# Altium PCB PCB.PcbDoc
Units mm, origin at the board's own origin, x right, y up, seen from the top; angles counter-clockwise.
Board outline 26.7 x 21.6 mm, 4 copper layers (L01_SIG, L01_GND, L03_GND, L04_SIG), stack 1.565 mm thick; 37 components, 24 nets, 150 pads, 90 vias.
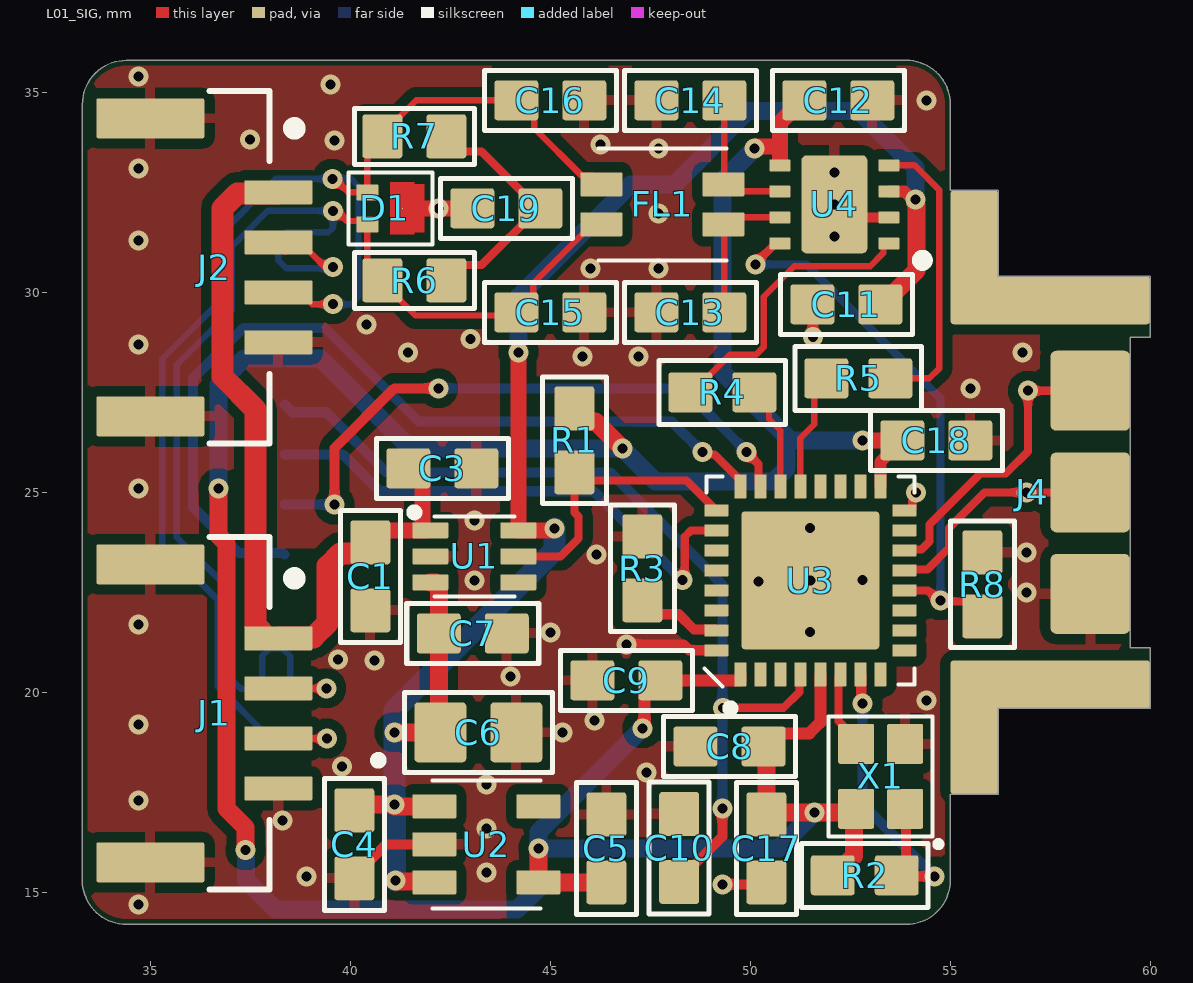
[diagram p0: L01_SIG view]
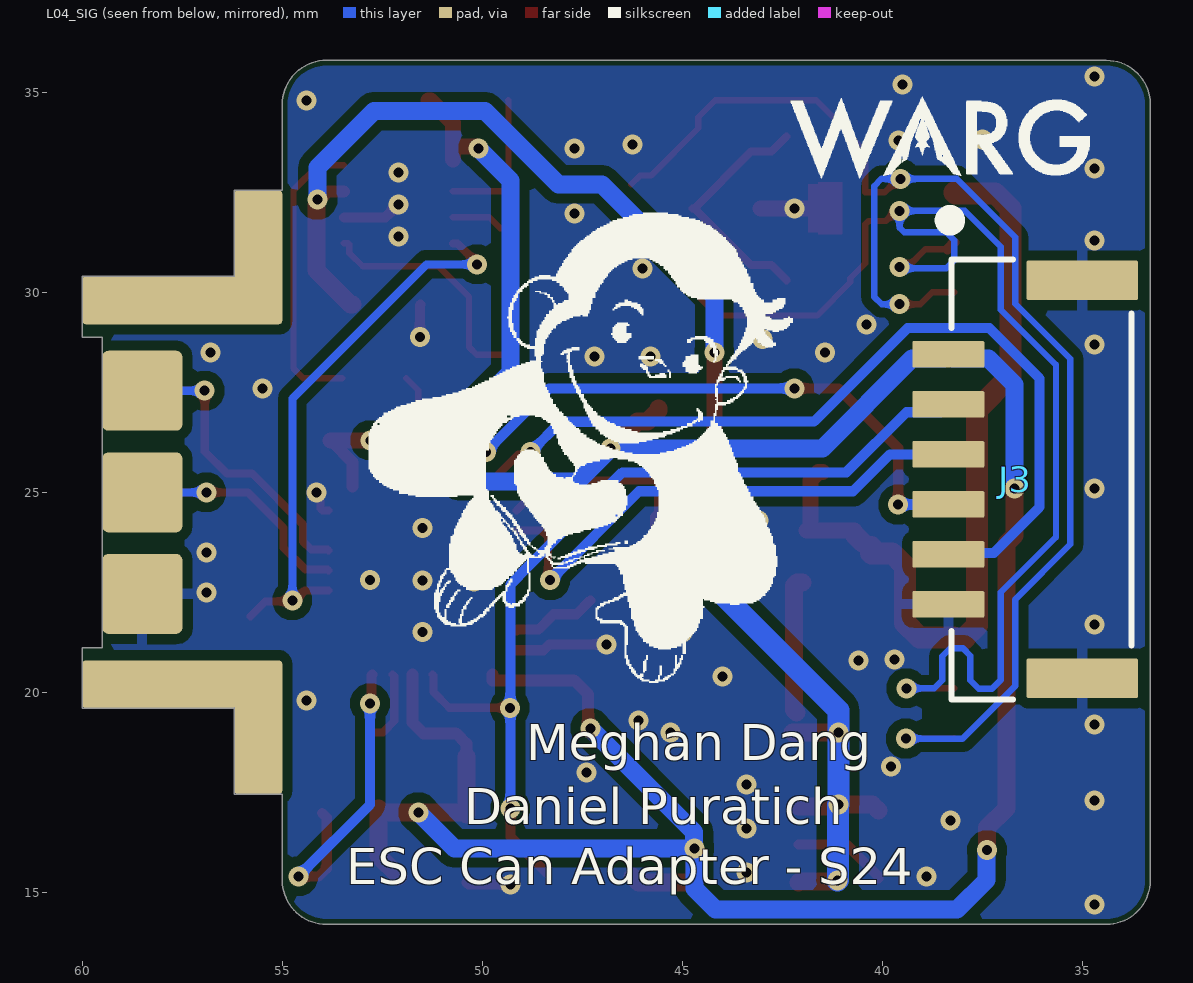
[diagram p1: L04_SIG view, seen from below]
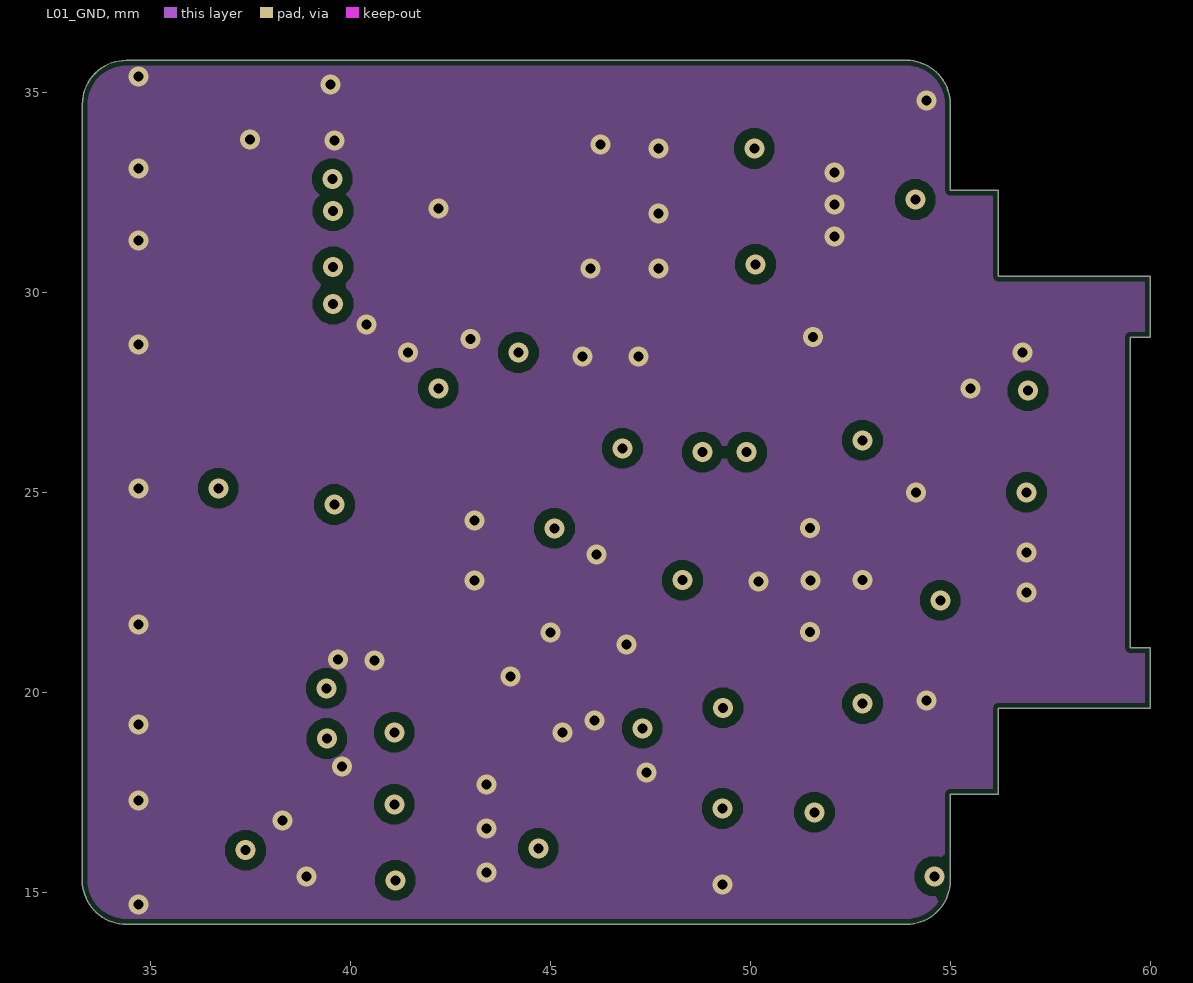
[diagram p2: L01_GND]
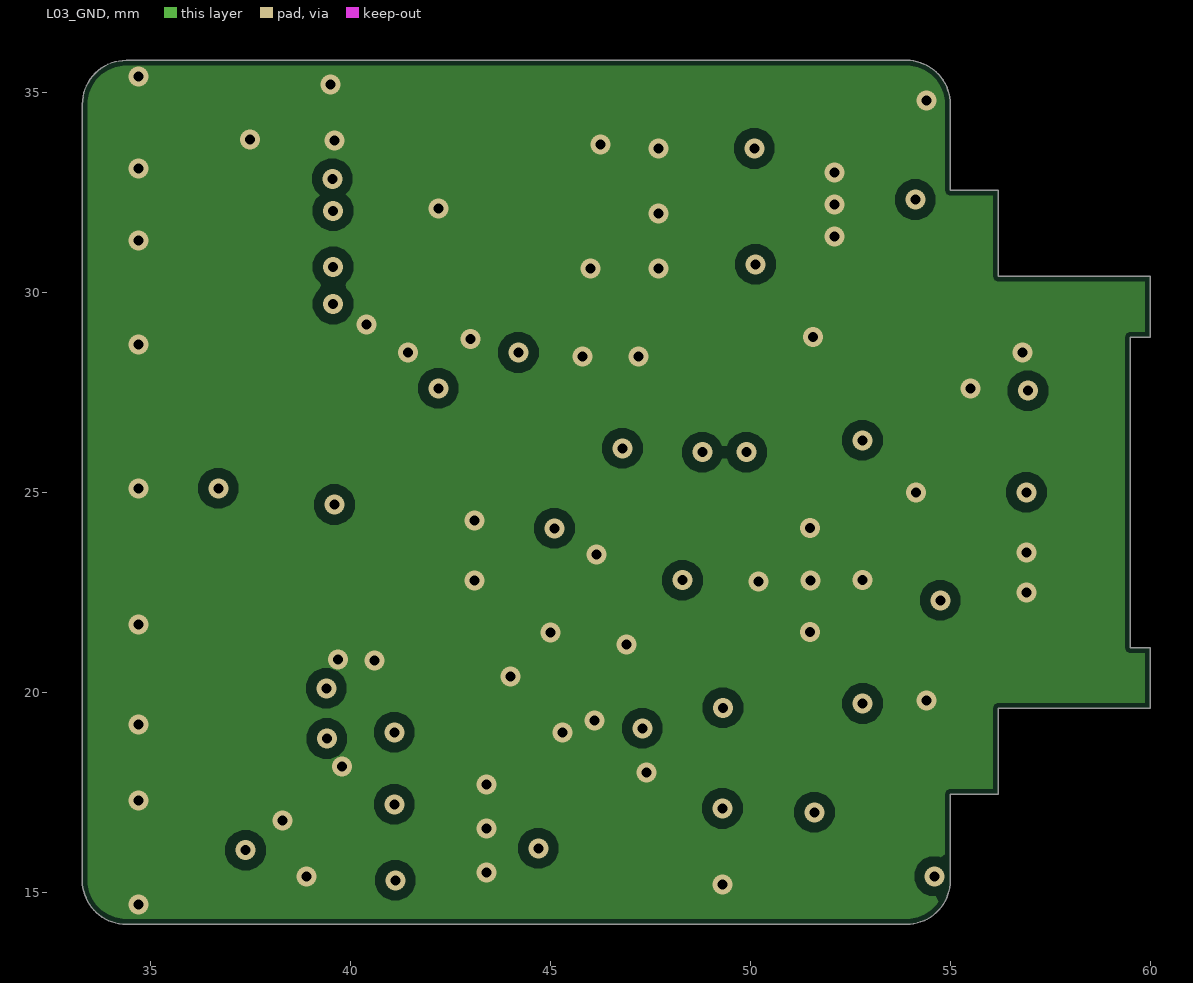
[diagram p3: L03_GND]

## Layer stack, top to bottom
Top Solder: solder mask 0.0102, Solder Resist, Dk 3.5
L01_SIG: signal copper 0.0356
Dielectric 2: prepreg 0.0993, PP-006, Dk 4.1
L01_GND: signal copper 0.0152
Dielectric 1: dielectric 1.2649, FR-4, Dk 4.8
L03_GND: signal copper 0.0152
Dielectric 3: prepreg 0.0993, PP-006, Dk 4.1
L04_SIG: signal copper 0.0356
Bottom Solder: solder mask 0.0102, Solder Resist, Dk 3.5

## Board outline
33.3,15.3 ccw(c34.4,15.3) 34.4,14.2 53.9,14.2 ccw(c53.9,15.3) 55,15.3 55,17.45 56.2,17.45 56.2,19.6 60,19.6 60,21.117 59.5,21.117 59.5,28.883 60,28.883 60,30.4 56.2,30.4 56.2,32.55 55,32.55 55,34.7 ccw(c53.9,34.7) 53.9,35.8 34.4,35.8 ccw(c34.4,34.7) 33.3,34.7

## Design rules (kind name [scope] priority, off if disabled: settings)
AcuteAngle [All] p1: minimum=6.00000000000000E+0001 checktracksonly=FALSE
BoardOutlineClearance [All] p1: gap=0.127 ignorepadtopadclearanceinfootprint=FALSE except(0: Arc-SplitContinuation Track-SplitContinuation SMDPad-SplitContinuation THPad-SplitContinuation Via-SplitContinuation Fill-SplitContinuation Poly-SplitContinuation Region-SplitContinuation Text-SplitContinuation)
Clearance [All] p1: gap=0.254 ignorepadtopadclearanceinfootprint=FALSE except(0.127: SMDPad-SMDPad; 0.2: Arc-Arc Arc-Track Arc-SMDPad Track-Track Track-SMDPad)
MinimumSolderMaskSliver [All] p1: minsoldermaskwidth=0.02
PolygonConnect [All] p1: connectstyle=Relief reliefconductorwidth=0.254 reliefentries=4 polygonreliefangle="90 Angle" airgapwidth=0.254
RoutingVias [All] p1: holewidth=0.711 width=1.27 viastyle="Through Hole" minholewidth=0.711 minwidth=1.27 maxholewidth=0.711 maxwidth=1.27
SilkToSolderMaskClearance [IsPad] p1: minsilkscreentomaskgap=0.01 clearancetoexposedcopper=TRUE
SolderMaskExpansion [All] p1: expansion=0.102 istentingtop=FALSE
SupplyNets "Schematic Supply Nets_3" [InNet('PWR_5V')] p1: voltage=0.000
SupplyNets "Schematic Supply Nets_2" [InNet('GND')] p2: voltage=0.000
SupplyNets "Schematic Supply Nets_1" [InNet('PWR_3V3')] p3: voltage=0.000
SupplyNets "Schematic Supply Nets" [InNet('VIN_5V')] p4: voltage=0.000
Width [All] p1: maxlimit=1 minlimit=0.127 preferedwidth=0.254
28 further rules are at their usual default settings.

## Components (designator, comment, footprint, x,y, rotation, side; value= is the part's Value field where it differs from the comment)
C1 "CL10B104KA8NNNC" .CAP_0603-Footprint-1 40.5,22.9 r90 top
C3 "GCM188R71E105KA64D" .CAP_0603-Footprint-1 42.3,25.6 r180 top
C4 "GCM188R71E105KA64D" .CAP_0603-Footprint-1 40.1,16.2 r90 top
C5 "GCM188R71E105KA64D" .CAP_0603-Footprint-1 46.4,16.1 r270 top
C6 "GMC21X7R106K25NT" .CAP_0805-Footprint-1 43.2,19 r180 top
C7 "GCM188R71E105KA64D" .CAP_0603-Footprint-1 43.061,21.474 r180 top
C8 "GCM188R71C104KA37D" .CAP_0603-Footprint-1 49.48,18.649 r0 top value=100nF
C9 "GRM188Z71A475KE15J" .CAP_0603-Footprint-1 46.9,20.3 r0 top value=4.7uF
C10 "CL10B104KA8NNNC" .CAP_0603-Footprint-1 48.222,16.111 r270 top
C11 "CL10B104KA8NNNC" .CAP_0603-Footprint-1 52.4,29.7 r0 top
C12 "CL10B104KA8NNNC" .CAP_0603-Footprint-1 52.2,34.8 r180 top
C13 "CC0603JRNPO9BN220" .CAP_0603-Footprint-1 48.5,29.5 r0 top value=22pF
C14 "CC0603JRNPO9BN220" .CAP_0603-Footprint-1 48.5,34.8 r0 top value=22pF
C15 "CC0603JRNPO9BN220" .CAP_0603-Footprint-1 45,29.5 r180 top value=22pF
C16 "CC0603JRNPO9BN220" .CAP_0603-Footprint-1 45,34.8 r180 top value=22pF
C17 "CC0603KRX7R8BB103" .CAP_0603-Footprint-1 50.4,16.1 r90 top
C18 "GCM188R71C104KA37D" .CAP_0603-Footprint-1 54.65,26.3 r180 top value=100nF
C19 "GCM188R71H472KA37D" .CAP_0603-Footprint-1 43.9,32.1 r0 top value=4.7nF
D1 "PESD2CANFD24U-QCZ" PESD2CANFD24U-QCZ-Footprint-1 40.8,32.1 r90 top
FL1 "ACT1210D-510-2P-TL00" ACT1210D-510-2P-TL00-Footprint-1 47.8,32.2 r0 top
J1 "SM04B-GHS-TB(LF)(SN)" CONN_SM04B-GHS-TB_JST 36.324,19.475 r270 top
J2 "SM04B-GHS-TB(LF)(SN)" CONN_SM04B-GHS-TB_JST 36.324,30.625 r270 top
J3 "BM06B-GHS-TBT" BM06B-GHS-TBT-Footprint-1 36.024,25.325 r90 bottom locked
J4 "APD_120F3[X]_DATACONN" APD_120F3[X]_DATACONN-Footprint-1 58.5,25 r0 top
R1 "AC0603FR-1310KL" .RES_0603-Footprint-1 45.6,26.3 r90 top
R2 "RC0603FR-0710KL" .RES_0603-Footprint-1 52.86,15.425 r180 top value=10k
R3 "RC0603FR-0710KL" .RES_0603-Footprint-1 47.3,23.1 r270 top value=10k
R4 "RC0603FR-0710RL" .RES_0603-Footprint-1 49.3,27.5 r0 top value=10
R5 "RC0603FR-0710RL" .RES_0603-Footprint-1 52.7,27.85 r180 top value=10
R6 "RC0603FR-1360R4L" RES0603 41.6,30.3 r180 top value=60.4R
R7 "RC0603FR-1360R4L" RES0603 41.6,33.9 r180 top value=60.4R
R8 "RC0603FR-0710KL" .RES_0603-Footprint-1 55.8,22.7 r270 top value=10k
U1 "LM66100DCKR" LM66100DCKR-Footprint-1 43.1,23.4 r0 top
U2 "TLV75533PDBVR" TLV75533PDBVR-Footprint-1 43.4,16.2 r0 top
U3 "STM32L431KCU6" STM32L431KCU6-Footprint-1 51.5,22.8 r90 top
U4 "TJA1051TK/3,118" TJA1051TK_3,118-Footprint-1 52.1,32.2 r180 top locked
X1 "ASDDV-8.000MHZ-LR-T" ASDDV-8.000MHZ-LR-T-Footprint-1 53.259,17.902 r90 top

## Footprints (in the part's own frame and the unit in brackets; to place one, negate y for a bottom-side part, rotate by r counter-clockwise, add the part's x,y. Pads: shape width x height; smd on the part's side, far side on the other; paste and mask are expansions set on the pad)
.CAP_0603-Footprint-1 [mm]
  rrect15% 1.1x1 smd: 1(-0.85,0) 2(0.85,0)
  silkscreen extent -1.65,-0.75 1.65,0.75, body extent -0.87,-0.45 0.87,0.5, height 0.87
.CAP_0805-Footprint-1 [mm]
  rrect15% 1.3x1.5 smd: 1(-0.95,0) 2(0.95,0)
  silkscreen extent -1.85,-1 1.85,1, body extent -1.1,-0.7 1.1,0.75, height 1.39
.RES_0603-Footprint-1 [mm]
  rrect15% 1.1x1 smd: 1(-0.8,0) 2(0.8,0)
  silkscreen extent -1.58,-0.8 1.58,0.8, body extent -0.8,-0.4 0.8,0.4, height 0.46
ACT1210D-510-2P-TL00-Footprint-1 [mm]
  rrect10% 1.05x0.6 smd: 1(-1.525,0.5) 2(-1.525,-0.5) 3(1.525,-0.5) 4(1.525,0.5)
  silkscreen extent -1.6,-1.4 1.6,1.4, body extent -1.95,-1.25 1.95,1.25, height 2.5
APD_120F3[X]_DATACONN-Footprint-1 [mm]
  rrect15% 1.2x2.5 smd: 1(-2.9,6.3) 5(-2.9,-6.3)
  rrect15% 1.2x2.5 smd far side: 1(-2.9,6.3) 5(-2.9,-6.3)
  rrect15% 5x1.2 smd: 1(-1,4.8) 5(-1,-4.8)
  rrect15% 5x1.2 smd far side: 1(-1,4.8) 5(-1,-4.8)
  rrect15% 2x2 smd: 2(0,2.54) 3(0,0) 4(0,-2.54)
  rrect15% 2x2 smd far side: 2(0,2.54) 3(0,0) 4(0,-2.54)
  body extent -2.2,-14.5 56.8,14.5, height 10.3
ASDDV-8.000MHZ-LR-T-Footprint-1 [mm]
  rrect10% 1x0.9 smd: 1(-0.813,-0.613) 2(0.813,-0.613) 3(0.813,0.613) 4(-0.813,0.613)
  silkscreen extent -1.75,-1.49 1.5,1.3, body extent -1.25,-1 1.25,1, height 0.91
BM06B-GHS-TBT-Footprint-1 [mil]
  rrect10% 26x71 smd paste+0: 1(123.03,91.58) 2(73.82,91.58) 3(24.61,91.58) 4(-24.61,91.58) 5(-73.82,91.58) 6(-123.03,91.58)
  rrect10% 39x110 smd paste-55: 7(-195.87,-40.31) 8(195.87,-40.31)
  silkscreen extent -216,-89 260,95, body extent -212,-84 212,111, height 166
CONN_SM04B-GHS-TB_JST [mm]
  rrect10% 0.6x1.7 smd: 1(-1.875,1.876) 2(-0.625,1.876) 3(0.625,1.876) 4(1.875,1.876)
  rrect10% 1x2.7 smd: 5(-3.725,-1.324) 6(3.725,-1.324)
  silkscreen extent -4.4,0.15 4.4,2.36, body extent -4.13,-2.55 4.13,2.3, height 4.25
LM66100DCKR-Footprint-1 [mm]
  rrect15% 0.9x0.4 smd: 1(-1.1,0.65) 2(-1.1,0) 3(-1.1,-0.65) 4(1.1,-0.65) 5(1.1,0) 6(1.1,0.65)
  silkscreen extent -1.6,-1 1,1.2, body extent -1.05,-1 1.05,1, height 1.1
PESD2CANFD24U-QCZ-Footprint-1 [mm]
  rrect10% 0.4x0.55 smd: 1(0.4,0.375) 2(-0.4,0.375)
  round 0.025 smd: 3(0,-0.5)
  L01_SIG region: -0.6,-1.05 -0.6,-0.8 -0.65,-0.8 -0.65,-0.2 0.65,-0.2 0.65,-0.8 0.6,-0.8 0.6,-1.05 0.2,-1.05 0.2,-0.8 -0.2,-0.8 -0.2,-1.05
  silkscreen extent -0.9,-1.25 0.9,0.85, body extent -0.7,-0.82 0.7,0.4, height 0.49
RES0603 [mm] "SMT Resistor 0603"
  rrect15% 1x1.1 smd: 1(-0.8,0) 2(0.8,0)
  silkscreen extent -1.5,-0.7 1.5,0.7, body extent -0.8,-0.4 0.8,0.4, height 0.46
STM32L431KCU6-Footprint-1 [mm]
  rrect10% 0.6x0.3 smd: 1(-2.35,1.75) 2(-2.35,1.25) 3(-2.35,0.75) 4(-2.35,0.25) 5(-2.35,-0.25) 6(-2.35,-0.75) 7(-2.35,-1.25) 8(-2.35,-1.75) 17(2.35,-1.75) 18(2.35,-1.25) 19(2.35,-0.75) 20(2.35,-0.25) 21(2.35,0.25) 22(2.35,0.75) 23(2.35,1.25) 24(2.35,1.75)
  rrect10% 0.3x0.6 smd: 9(-1.75,-2.35) 10(-1.25,-2.35) 11(-0.75,-2.35) 12(-0.25,-2.35) 13(0.25,-2.35) 14(0.75,-2.35) 15(1.25,-2.35) 16(1.75,-2.35) 25(1.75,2.35) 26(1.25,2.35) 27(0.75,2.35) 28(0.25,2.35) 29(-0.25,2.35) 30(-0.75,2.35) 31(-1.25,2.35) 32(-1.75,2.35)
  rrect5% 3.45x3.45 smd paste-2539.97: 33(0,0)
  silkscreen extent -3.3,-2.6 2.6,2.65, body extent -2.5,-2.5 2.5,2.5, height 0.61
TJA1051TK_3,118-Footprint-1 [mm]
  rrect15% 0.525x0.3 smd: 1(-1.362,0.975) 2(-1.362,0.325) 3(-1.362,-0.325) 4(-1.362,-0.975) 5(1.362,-0.975) 6(1.362,-0.325) 7(1.362,0.325) 8(1.362,0.975)
  rrect15% 1.65x2.45 smd: 9(0,0)
  silkscreen extent -2.33,1.27 -2.07,1.53, body extent -1.5,-1.5 1.5,1.5, height 1.01
TLV75533PDBVR-Footprint-1 [mm]
  rrect10% 1.1x0.6 smd: 1(-1.3,0.95) 2(-1.3,0) 3(-1.3,-0.95) 4(1.3,-0.95) 5(1.3,0.95)
  silkscreen extent -2.77,-1.6 1.35,2.17, body extent -1.4,-1.45 1.4,1.45, height 1.45

## Part data
C1 C10 C11 C12: library part CMP-00057-2, "CAP CER 0.1UF 25V X7R 0603", Capacitance=100nF, Case/Package=0603, Dielectric=X7R, Tolerance=10%, Voltage Rating=25V
C3 C4 C5 C7: library part CMP-00240-2, "CAP CER 1UF 25V X7R 0603", Capacitance=1uF, Temperature Coefficient=X7R, Tolerance=10%, Voltage Rating=25V, Mounting Technology="Surface Mount"
C6: library part CMP-00241-4, "CAP0805 X7R 10UF 10% 25V", Capacitance=10uF, Temperature Coefficient=X7R, Tolerance=10%, Voltage Rating=25V
C8 C18: library part CMP-001-00003-8, "CAP CER 100nF 16V X7R 0603", Capacitance=100nF, Package=0603, Temperature Coefficient=X7R, Voltage=16V
C9: library part CMP-001-00045-1, "CAP CER 4.7UF 10V X7R 0603", Temperature Coefficient=X7R, Voltage=10V
C13 C14 C15 C16: library part CMP-00246-2, "CAP CER 22PF 50V C0G/NPO 0603", Case/Package=0603, Temperature Coefficient=C0G,NP0, Tolerance=5%, Voltage Rating=50V
C17: library part CMP-00217-1, "CAP CER 10nF 25V X7R 0603", Capacitance=10nF, Package=0603, Temperature Coefficient=X7R, Voltage Rating=25V
C19: library part CMP-001-00080-1, "CAP CER 4700PF 50V X7R 0603", Capacitor Type=Ceramic, Case/Package=0603, Max Operating Temperature=125°C, Min Operating Temperature=-55°C, Package Shape=Rectangular, Package Style=SMTMeter, Rated DC Voltage (URdc)=50V, Temperature Characteristics Code=X7R, Tolerance  (fill in as +-)=10%, Dielectric Material=Ceramic, Height=0.9mm, JESD-609 Code=e3, Length=1.6mm, Mounting Technology="Surface Mount", Multilayer=Yes, Packaging="Tape and Reel", Pins=2, Reach SVHC Compliant=Yes, Reference Standard=AEC-Q200, RoHS Compliant=Yes, Terminal Finish=Nickel, Termination=Wraparound, Tolerance (fill in as +-)=10%, Width=0.8mm
D1: library part CMP-00239-5, "TVS DIODE 24VWM 43VC DFN1412D-3"
FL1: library part CMP-00243-2, "CMC 50UH 115MA 2LN 2.3KOHM SMD"
J1 J2: library part CMP-068-000000-3, "Conn Shrouded Header HDR 4 POS 1.25mm Solder RA SMD Reel", Mfr_Name=JST, Design Item ID=SM04B-GHS-TB(LF)(SN), RefDes=RefDes, Source=SM04B-GHS-TB_LF__SN_.SchLib, Type=Type
J3: library part CMP-002-00014-7, "Connector Header Surface Mount 6 position 0.049\" (1.25mm)", Mfr Name=JST, Design Item ID=BM06B-GHS-TBT
J4: library part CMP-00222-1, "Data connector to solder directly onto three pin connection on the APD ESC 120F3[X] custom footprint with the ESC 3D body"
R1: library part CMP-009-00054-2, "RES 10K OHM 1% 1/10W 0603", Rated Power Dissipation (P)=100mW, Rated Temperature=70°C, Resistance=10kR, Tolerance=1%, Working Voltage=75V, Mount="Surface Mount"
R2 R3 R8: library part CMP-009-00006-4, "RES 10K OHM 1% 1/10W 0603", Package=0603, Power=1/10W, Resistance=10k, Tolerance=1%
R4 R5: library part CMP-009-00084-1, "RES 10 OHM 1% 1/10W 0603", Package=0603, Power=1/10W, Resistance=10, Tolerance=1%
R6 R7: library part CMP-00245-1, "RES 60.4 OHM 1% 1/10W 0603", Power=100mW, Tolerance=1%
U1: library part CMP-00218-1, "IC OR CTRLR IDEAL DIODE SC70-6"
U2: library part CMP-00225-3, "IC REG LINEAR 3.3V 500MA SOT23-5"
U3: library part CMP-00224-6, "IC MCU 32BIT 256KB FLSH 32UFQFPN"
U4: library part CMP-00219-3, "IC TRANSCEIVER HALF 1/1 8HVSON"
X1: library part CMP-00242-3, "OSC XO 8.000MHZ CMOS SMD", Frequence Stability=25ppm, Frequency=8MHz

## Via types
v1: diameter 0.5, hole 0.25, L01_SIG to L04_SIG, tented both sides, 90 vias

## Nets (pads, with @x,y where several pads share a name; then routed paths per layer and width w, separated by ;. In a path a pad name is that pad's centre, name@x,y a point inside that pad or via, vN(x,y) a via of type N, cw(c..) or ccw(c..) an arc to the next point about the centre after c; other vN are vias at no path point)
BOOT0: R3.2 U3.31 | length 2.2
  L01_SIG w0.254: R3.2 47.648,21.952 48.213,21.952 48.592,21.573 49.127,21.573 U3.31
CAN1_RX: R5.2 U3.21 | length 3
  L01_SIG w0.157: U3.21 51.25,26.35 51.6,26.7 51.6,27.55 R5.2
CAN1_TX: R4.2 U3.22 | length 2.2
  L01_SIG w0.157: R4.2@50.395,27.2 50.468,27.127 50.468,26.832 50.75,26.55 U3.22
CAN_H: C15.2 D1.2 FL1.2 J1.2 J2.2 R6.2 | length 35.1
  L01_SIG w0.157: J1.2 v1(39.4,20.1) ; J2.2@38.373,31.077 38.923,31.077 39.334,30.666 39.514,30.666 v1@39.545,30.635 ; v1(39.568,32.038) 39.661,32.038 39.915,31.784 40.341,31.784 D1.2 40.425,30.725 40.8,30.35 R6.2 40.8,30.25 41.63,29.42 44.12,29.42 44.573,29.873 44.573,30.223 46.05,31.7 FL1.2
  L01_SIG w0.254: J2.2 J2.2@38.373,31.077
  L04_SIG w0.157: v1(39.4,20.1) 38.7,20.1 38.5,20.3 38.5,20.9 38.3,21.1 37.984,21.1 37.8,20.916 37.8,20.3 37.589,20.089 37.259,20.089 37.039,20.308 37.039,22.502 36.34,23.2 35.66,23.88 35.66,28.189 37.039,29.568 37.039,31.139 37.938,32.038 v1(39.568,32.038) 39.568,31.617 39.451,31.5 38.4,31.5 38.2,31.3 38.2,30.8 38.4,30.6 39.533,30.6 v1(39.568,30.635)
CAN_H_FILT: C13.2 FL1.3 U4.7 | length 3.7
  L01_SIG w0.157: FL1.3@49.325,31.6 FL1.3@49.348,31.6 ; FL1.3 49.348,31.678 FL1.3@49.348,31.6 ; C13.2 49.348,29.503 FL1.3@49.348,31.6 ; U4.7 49.825,31.875 49.55,31.6 FL1.3@49.348,31.6
CAN_L: C16.2 D1.1 FL1.1 J1.3 J2.3 R7.2 | length 35.5
  L01_SIG w0.157: J1.3 38.207,18.843 v1(39.412,18.843) ; J2.3 38.75,30 39.05,29.7 39.565,29.7 v1@39.57,29.705 ; v1(39.55,32.836) 39.607,32.836 39.944,32.5 D1.1 40.425,33.311 40.427,33.313 40.427,33.527 R7.2 40.8,33.95 41.65,34.8 44.179,34.8 44.6,34.379 44.6,34.1 45.779,32.921 46.054,32.921 FL1.1
  L04_SIG w0.157: v1(39.412,18.843) 37.995,18.843 36.679,20.159 36.679,22.321 35.3,23.7 35.3,28.338 36.679,29.717 36.679,31.379 38.136,32.836 40.022,32.836 40.202,32.657 40.202,29.884 40.018,29.7 39.575,29.7 v1@39.57,29.705
  other v1: 39.57,29.71
CAN_L_FILT: C14.2 FL1.4 U4.6 | length 3.4
  L01_SIG w0.157: FL1.4 FL1.4@49.348,32.722 ; FL1.4@49.348,32.822 49.348,34.797 C14.2 ; FL1.4@49.398,32.527 49.87,32.527 49.872,32.525 U4.6
DSHOT_SIGNAL: J4.3 U3.13 | length 7.3
  L01_SIG w0.203: U3.13 53.87,23.07 54.425,23.07 54.97,23.615 54.97,24.113 55.857,25 v1(56.9,25) J4.3@58.5,25
  L04_SIG w0.203: v1(56.9,25) J4.3@58.5,25
DSHOT_TELEMETRY: J4.2 U3.14 | length 9
  L01_SIG w0.203: U3.14 53.87,23.57 54.278,23.57 54.48,23.772 54.48,24.198 55.752,25.47 56.386,25.47 56.94,26.023 v1(56.94,27.54) J4.2@58.5,27.54
  L04_SIG w0.203: v1(56.94,27.54) J4.2@58.5,27.54
GND: C1.1 C3.1 C4.1 C5.1 C6.1 C7.1 C8.1 C9.1 C10.1 C11.1 C12.1 C13.1 C14.1 C15.1 C16.1 C17.1 C18.1 C19.1 D1.3 J1.4 J1.5 J1.6 J2.4 J2.5 J2.6 J3.6 J3.7 J3.8 J4.4 R3.1 R8.1 U1.2 U2.2 U3.16 U3.32 U3.33 U4.2 U4.9 X1.2 | length 10.5
  L01_SIG w0.203: U3.16 54,24.55 54.048,24.598 54.048,24.768 54.088,24.807 54.088,24.943 v1(54.144,25)
  L01_SIG w0.254: C4.1 40.1,15.4 40.9,16.2 U2.2 ; v1(46.9,21.2) 48.323,21.2 48.469,21.054 49.146,21.054 U3.32 ; v1(49.3,15.2) 50.35,15.2 C17.1 ; C11.1 51.563,29.687 v1(51.563,28.889) ; v1(52.1,32.2) 52.425,31.875 U4.2
  L01_SIG w0.4: D1.3 v1(42.2,32.1) C19.1
  other v1: 34.7,14.7 38.9,15.4 43.4,15.5 43.4,16.6 38.3,16.8 34.7,17.3 43.4,17.7 47.4,18 39.787,18.146 45.3,19 34.7,19.2 46.1,19.3 54.4,19.8 44,20.4 40.6,20.8 39.697,20.818 45,21.5 51.494,21.505 34.7,21.7 56.9,22.5 50.206,22.773 43.1,22.8 51.5,22.8 52.809,22.805 46.159,23.448 56.9,23.5 51.494,24.109 43.1,24.3 34.7,25.1 55.5,27.6 45.8,28.4 47.2,28.4 41.437,28.49 56.8,28.5 34.7,28.7 43,28.831 40.4,29.2 46,30.6 47.7,30.6 34.7,31.3 52.1,31.4 47.7,31.971 52.1,33 34.7,33.1 47.7,33.6 46.25,33.7 39.6,33.8 37.496,33.822 54.4,34.8 39.5,35.2 34.7,35.4
HSE_8MHZ: U3.6 X1.3 | length 1.8
  L01_SIG w0.203: U3.6 52.202,20.402 52.202,19.279 52.48,19 X1.3@52.7,19
LM66100_STATUS: R1.1 U1.5 U3.25 | length 7.2
  L01_SIG w0.203: U1.5 45.256,23.4 45.706,23.849 45.706,24.4 45.605,24.5 R1.1@45.605,25.3 ; R1.1 45.605,25.495 R1.1@45.605,25.3 ; U3.25 48.4,25.3 R1.1@45.605,25.3
NetC19_2: C19.2 R6.1 R7.1 | length 6.2
  L01_SIG w0.203: R6.1 42.4,30.308 42.773,30.681 43.281,30.681 C19.2@44.7,32.1 ; R7.1 42.4,33.892 42.773,33.519 43.281,33.519 C19.2@44.7,32.1 ; C19.2 C19.2@44.7,32.1
NRST: C10.2 J3.2 U3.4 | length 22.9
  L01_SIG w0.203: v1(49.314,19.614) 50.829,19.614 51.225,20.01 51.225,20.424 U3.4
  L01_SIG w0.254: C10.2@48.406,15.495 49.3,16.389 v1(49.3,17.1)
  L04_SIG w0.254: J3.2 38.547,27.003 39.397,27.003 40.9,25.5 46.5,25.5 49.1,22.9 49.1,22.89 49.3,22.69 v1(49.3,17.1)
OSC_EN: R2.1 U3.7 X1.1 | length 8.1
  L01_SIG w0.254: U3.7 52.773,20.427 52.773,19.756 v1(52.807,19.722) ; R2.1@53.891,15.591 53.891,16.866 X1.1@54.013,16.987 ; R2.1@53.919,15.632 53.919,15.564 54.083,15.4 v1(54.6,15.4)
  L04_SIG w0.254: v1(52.807,19.722) 52.807,17.193 v1(54.6,15.4)
PWR_3V3: C5.2 C8.2 C9.2 C12.2 C17.2 C18.2 J3.1 R1.2 R2.2 U2.4 U3.1 U3.5 U3.17 U4.5 X1.4 | length 80.8
  L01_SIG w0.3: v1@47.3,19.113 47.3,19.154 47.356,19.21 47.356,19.95 47.706,20.3 49.75,20.3 U3.1 ; C8.2@50.4,18.4 50.4,18.719 50.654,18.973 51.473,18.973 51.75,19.25 U3.5 ; U3.17 53.25,25.758 C18.2@53.742,26.25
  L01_SIG w0.4: v1(50.1,33.6) 50.147,33.647 50.679,33.647 50.738,33.706 ; C17.2 C17.2@50.45,17 ; 50.738,33.325 50.738,33.706 ; C12.2 51.3,34.8 50.738,34.238 50.738,33.706 ; v1(52.8,26.3) C18.2
  L01_SIG w0.45: v1(36.7,25.1) 36.7,23.922 36.9,23.722 36.9,17.1 37.381,16.619 v1(37.381,16.054) ; v1(44.7,16.1) U2.4 46.1,15.25 C5.2@46.25,15.4 ; R1.2 45.6,27.05 45.875,26.775 46.125,26.775 v1(46.8,26.1) ; C17.2 C8.2@50.4,18.4 ; C17.2@50.45,17 v1(51.6,17) 52.5,17 52.593,17.093 52.593,15.908 52.1,15.415 R2.2@52.1,15.4
  L04_SIG w0.45: v1(36.7,25.1) 36.7,27.7 37.345,28.345 38.245,28.345 J3.1 38.455,28.345 39.255,28.345 41.5,26.1 v1(46.8,26.1) 47.626,25.275 50.575,25.275 50.9,25.6 50.9,26.4 ; v1(37.381,16.054) 37.39,16.045 37.39,15.31 38.129,14.571 44.171,14.571 44.7,15.1 v1(44.7,16.1) ; v1@47.296,19.096 44.704,16.504 44.704,16.104 v1(44.7,16.1) ; v1(50.1,33.6) 49.3,32.8 49.3,28 50.9,26.4 ; v1(51.6,17) 50.7,16.1 v1(44.7,16.1) ; v1(52.8,26.3) 51,26.3 50.9,26.4
  other v1: 47.3,19.1
PWR_5V: C4.2 C6.2 C7.2 C11.2 U1.3 U1.6 U2.1 U2.3 U4.3 | length 41.9
  L01_SIG w0.3: U4.3 53.85,32.525 54.019,32.356 54.085,32.356 v1(54.124,32.318)
  L01_SIG w0.4: v1(44.2,28.496) 44.2,24.075 U1.6 45.023,24.05 45.073,24.1 v1(45.1,24.1)
  L01_SIG w0.45: C4.2 40.24,17.19 41.09,17.19 v1(41.1,17.2) ; v1(41.1,19) C6.2 ; v1@41.104,17.15 U2.1 ; v1(41.125,15.3) 41.15,15.275 42.075,15.275 U2.3 ; U1.3 42.138,22.75 42.211,22.677 C7.2 42.211,19.561 C6.2@42.15,19.5 ; C11.2 53.3,29.7 54.15,30.55 54.15,32.187 54.149,32.189 54.133,32.204 54.133,32.308 v1(54.124,32.318)
  L04_SIG w0.45: v1(44.2,28.496) 44.2,29.89 47.01,32.7 48.1,32.7 49.931,34.531 52.711,34.531 54.124,33.119 v1(54.124,32.318)
  L04_SIG w0.55: v1(41.125,15.3) 41.112,15.312 41.112,17.188 v1(41.1,17.2) 41.1,19.55 45.1,23.55 v1(45.1,24.1)
SWCLK: J3.5 U3.24 | length 21.9
  L01_SIG w0.203: v1(48.8,26.004) 48.857,25.947 49.103,25.947 49.739,25.311 U3.24@49.739,25.15
  L04_SIG w0.254: J3.5 38.316,23.484 37.216,23.484 36.069,24.631 36.069,27.85 37.327,29.107 39.368,29.107 41.706,26.769 47.094,26.769 47.097,26.765 48.038,26.765 v1@48.783,26.021
SWDIO: J3.4 U3.23 | length 15.3
  L01_SIG w0.203: v1(49.903,26.004) 50.202,25.705 50.202,25.198 U3.23
  L01_SIG w0.254: v1(39.602,24.693) 39.602,26.102 41.1,27.6 v1(42.2,27.6)
  L04_SIG w0.254: J3.4 38.354,24.696 39.599,24.696 v1(39.602,24.693) ; v1(42.2,27.6) 48.326,27.6 49.903,26.023 v1(49.903,26.004)
SWO: J3.3 U3.26 | length 13.2
  L01_SIG w0.203: v1(48.303,22.804) 48.359,22.86 48.359,23.89 48.519,24.05 U3.26
  L04_SIG w0.254: J3.3 39.808,25.95 40.732,25.025 46.082,25.025 v1(48.303,22.804)
TJA1051_RX: R5.1 U4.4 | length 7.3
  L01_SIG w0.157: U4.4 54.106,33.175 54.721,32.559 54.721,28.095 54.476,27.85 R5.1
TJA1051_SLEEP: R8.2 U3.12 U4.8 | length 14.1
  L01_SIG w0.203: v1(50.129,30.7) 50.129,30.729 50.625,31.225 U4.8 ; U3.12 54.438,22.55 54.688,22.3 v1(54.75,22.3) 54.776,22.274 55.427,22.274 R8.2
  L04_SIG w0.203: v1(50.129,30.7) 51.4,30.7 54.75,27.35 v1(54.75,22.3)
TJA1051_TX: R4.1 U4.1 | length 7.4
  L01_SIG w0.157: R4.1 48.55,27.5 49.492,28.442 50.142,28.442 50.334,28.634 50.334,29.889 51.095,30.65 52.994,30.65 53.327,30.983 53.327,31.202 53.35,31.225 U4.1
VIN_5V: C1.2 C3.2 J1.1 J2.1 U1.1 | length 20
  L01_SIG w0.254: C1.2@40.7,23.95 C1.2@40.7,24.05
  L01_SIG w0.4: C1.2@40.7,24.05 U1.1@41.8,24.05 ; C3.2@41.492,25.508 41.592,25.508 41.8,25.3 U1.1@41.8,24.05 ; U1.1@41.897,24.05 U1.1@41.8,24.05
  L01_SIG w0.5: C1.2 C1.2@40.7,23.95
  L01_SIG w0.55: J1.1@37.95,21.35 37.628,21.672 37.628,27.072 36.8,27.9 36.8,32.096 37.179,32.475 38.175,32.475 J2.1 ; J1.1 38.225,21.375 39.075,21.375 39.432,21.732 39.432,23.153 39.755,23.475 40.275,23.475 40.289,23.489 C1.2@40.289,23.639
pads on no net: J4.1 J4.5 U1.4 U2.5 U3.2 U3.3 U3.8 U3.9 U3.10 U3.11 U3.15 U3.18 U3.19 U3.20 U3.27 U3.28 U3.29 U3.30

## Polygon pours and split planes (outlines as drawn)
GND on L01_GND "NONET_L-01_P-001" (solid, remove dead copper, pour order 1): 33.2,36 33.2,14.1 55,14.1 60.6,19.7 60.6,30.6 60.3,30.6 55,35.9
GND on L04_SIG "NONET_L-01_P-001" (solid, remove dead copper, pour order 2): 33.2,36 33.2,14.1 55,14.1 60.6,19.7 60.6,30.6 60.3,30.6 55,35.9
GND on L03_GND "NONET_L-01_P-001" (solid, remove dead copper, pour order 3): 33.2,36 33.2,14.1 55,14.1 60.6,19.7 60.6,30.6 60.3,30.6 55,35.9
GND on L01_SIG "NONET_L-01_P-001" (solid, remove dead copper, pour order 0): 33.2,35.95 33.2,14.1 54.7,14.1 60.3,19.7 60.3,30.3 54.65,35.95

## Other copper
L01_SIG:
  pour cut-out: 39.565,22.95 39.565,23.6 37.635,23.6 37.635,22.95
  pour cut-out: 53.8,28.296 53.8,29.904 54.4,29.904 54.4,28.296
  pour cut-out: 50.65,26.834 50.65,28.443 51.35,28.443 51.35,26.834
  pour cut-out: 45.504,14.35 43.896,14.35 43.896,14.95 45.504,14.95
  pour cut-out: 44.5,26.296 44.5,27.904 45.1,27.904 45.1,26.296
  pour cut-out: 46.7,26.745 48.8,26.745 48.8,26.145 46.7,26.145
  pour cut-out: 49.9,16.4 51.509,16.4 51.509,15.8 49.9,15.8
  pour cut-out: 37.365,18.55 37.365,17.9 39.035,17.9 39.035,18.55
  pour cut-out: 37.365,19.8 37.365,19.15 39.035,19.15 39.035,19.8
  pour cut-out: 37.235,32.2 37.235,31.55 39.165,31.55 39.165,32.2
  pour cut-out: 37.235,30.95 37.235,30.3 39.165,30.3 39.165,30.95
  pour cut-out: 57.238,29.09 59.456,29.09 59.456,28.54 57.238,28.54
  pour cut-out: 37.235,29.7 37.235,29.05 39.165,29.05 39.165,29.7
  pour cut-out: 37.35,21.05 37.35,20.4 39.02,20.4 39.02,21.05
  pour cut-out: 45.204,16.396 48.555,16.396 48.555,15.846 45.204,15.846
L04_SIG:
  pour cut-out: 37.35,19.8 37.35,19.15 39.02,19.15 39.02,19.8

## Silkscreen, mask and mechanical layers (free items; w line width, h text height)
Bottom Overlay:
  drawing of 50 lines, arcs and shapes, not listed
  text "Meghan Dang" at 48.897,18.303 h0.9
  text "Daniel Puratich" at 50.447,16.703 h0.9
  text "ESC Can Adapter - S24" at 53.397,15.203 h0.9
M1 Board Outline:
  lines w0.254: 55,17.45 55,15.3 cw(c53.9,15.3) 53.9,14.2 34.4,14.2 cw(c34.4,15.3) 33.3,15.3 33.3,34.7 cw(c34.4,34.7) 34.4,35.8 53.9,35.8 cw(c53.9,34.7) 55,34.7 55,32.55
Drill Drawing:
  drawing of 503 lines, arcs and shapes, not listed
  text "Symbol" at 33.768,47.792 h0.35
  text "Count" at 36.318,47.792 h0.35
  text "Hole Size" at 38.995,47.792 h0.35
  text "Plated" at 44.092,47.792 h0.35
  text "Hole Type" at 46.642,47.792 h0.35
  text "Drill Layer Pair" at 50.296,47.792 h0.35
  text "Via/Pad" at 56.156,47.792 h0.35
  text "Pad Shape" at 59.113,47.792 h0.35
  text "Template" at 62.825,47.792 h0.35
  text "Description" at 72.278,47.792 h0.35
  text "Hole Tolerance (+)" at 76.512,47.792 h0.35
  text "Hole Tolerance (-)" at 83.07,47.792 h0.35
  text "90" at 36.318,47.065 h0.29
  text "0.250mm (9.84mil)" at 38.995,47.065 h0.29
  text "PTH" at 44.092,47.065 h0.29
  text "Round" at 46.642,47.065 h0.29
  text "L01_SIG - L04_SIG" at 50.296,47.065 h0.29
  text "Via" at 56.156,47.065 h0.29
  text "Rounded" at 59.113,47.065 h0.29
  text "v50h25m0mx0(Tol10-10)_2670034071" at 62.825,47.065 h0.29
  text "0.100mm (3.94mil)" at 76.512,47.065 h0.29
  text "0.100mm (3.94mil)" at 83.07,47.065 h0.29
  text "90 Total" at 36.318,46.339 h0.29
  text "Layer" at 62.379,42.758 h0.33
  text "Name" at 64.678,42.758 h0.33
  text "Material" at 69.83,42.758 h0.33
  text "Thickness" at 74.598,42.758 h0.33
  text "Constant" at 78.213,42.758 h0.33
  text "Board Layer Stack" at 81.39,42.758 h0.33
  text "Top Overlay" at 64.678,42.1 h0.33
  text "Top Solder" at 64.678,41.441 h0.33
  text "Solder Resist" at 69.83,41.441 h0.33
  text "0.40mil" at 74.598,41.441 h0.33
  text "3.5" at 78.213,41.441 h0.33
  text "1" at 62.379,40.783 h0.33
  text "L01_SIG" at 64.678,40.783 h0.33
  text "1.40mil" at 74.598,40.783 h0.33
  text "Dielectric 2" at 64.678,40.124 h0.33
  text "PP-006" at 69.83,40.124 h0.33
  text "3.91mil" at 74.598,40.124 h0.33
  text "4.1" at 78.213,40.124 h0.33
  text "2" at 62.379,39.466 h0.33
  text "L01_GND" at 64.678,39.466 h0.33
  text "CF-004" at 69.83,39.466 h0.33
  text "0.60mil" at 74.598,39.466 h0.33
  text "Dielectric 1" at 64.678,38.808 h0.33
  text "FR-4" at 69.83,38.808 h0.33
  text "49.80mil" at 74.598,38.808 h0.33
  text "4.8" at 78.213,38.808 h0.33
  text "3" at 62.379,38.149 h0.33
  text "L03_GND" at 64.678,38.149 h0.33
  text "CF-004" at 69.83,38.149 h0.33
  text "0.60mil" at 74.598,38.149 h0.33
  text "Dielectric 3" at 64.678,37.491 h0.33
  text "PP-006" at 69.83,37.491 h0.33
  text "3.91mil" at 74.598,37.491 h0.33
  text "4.1" at 78.213,37.491 h0.33
  text "4" at 62.379,36.832 h0.33
  text "L04_SIG" at 64.678,36.832 h0.33
  text "1.40mil" at 74.598,36.832 h0.33
  text "Bottom Solder" at 64.678,36.174 h0.33
  text "Solder Resist" at 69.83,36.174 h0.33
  text "0.40mil" at 74.598,36.174 h0.33
  text "3.5" at 78.213,36.174 h0.33
  text "Bottom Overlay" at 64.678,35.515 h0.33